# Altium PCB SDR_CAMERA.PcbDoc (part 3 of 3)
Units mil, origin at the board's own origin, x right, y up, seen from the top; angles counter-clockwise.
Board outline 4374.02 x 2769.29 mil, 10 copper layers (L1-TOP(Sign), L2(GND), L3(PWR), L4(GND), L5(Sign), L6(Sign), L7(GND), L8(PWR), L9(GND), L10-BOT(Sign)), stack 60 mil thick; 352 components, 289 nets, 1442 pads, 92 vias.
Unrouted connection lines stored in the file: 944.
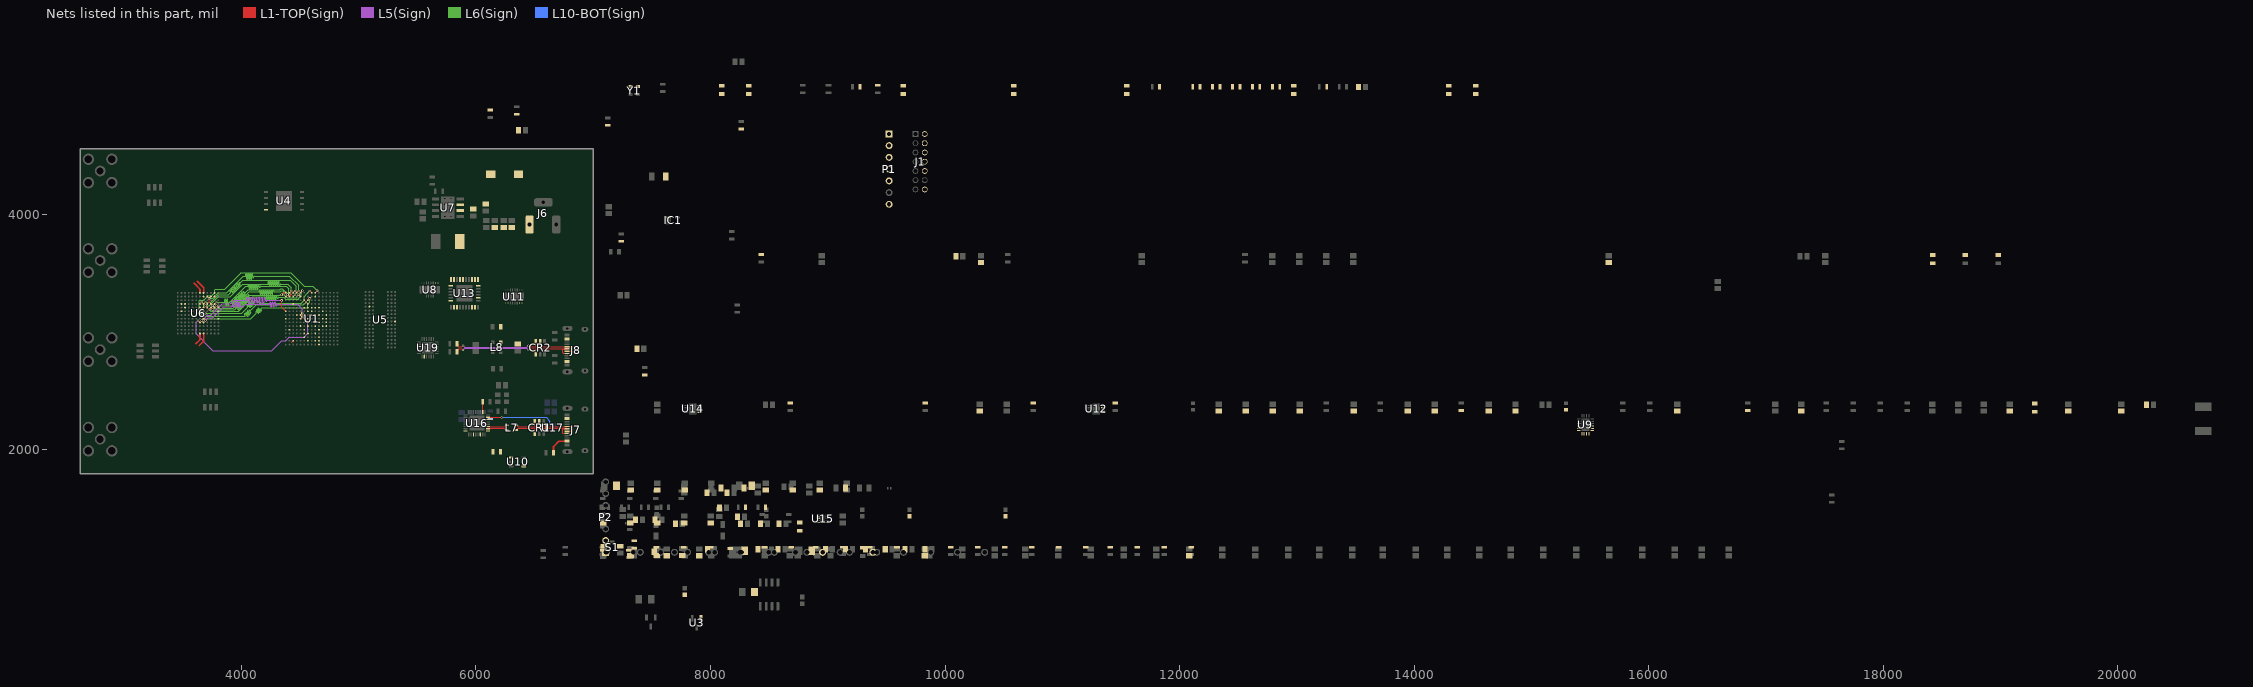
[diagram p11: the nets of this part, all layers, seen from the top]

## Via types
v1: diameter 19.68, hole 9.84, L1-TOP(Sign) to L10-BOT(Sign), tented both sides, 89 vias
v2: diameter 31.5, hole 19.68, L1-TOP(Sign) to L10-BOT(Sign), tented both sides, 3 vias

## Nets (pads, with @x,y where several pads share a name; then routed paths per layer and width w, separated by ;. In a path a pad name is that pad's centre, name@x,y a point inside that pad or via, vN(x,y) a via of type N, cw(c..) or ccw(c..) an arc to the next point about the centre after c; other vN are vias at no path point) (continued)
RX_D4_P: U1.K15 U6.J8 | length 1402.6
  L1-TOP(Sign) w5.91: v1(3661.42,3098.43) U6.J8@3677.17,3082.68 ; v1(4342.52,3270.79) 4342.52,3212.6 U1.K15@4377.95,3177.17
  L5(Sign) w3.94: v1(3661.42,3098.43) 3708.66,3145.67 3740.16,3145.67 3834.65,3240.16 3905.51,3240.16 3936.14,3270.79 4039.59,3270.79 4041.56,3270.79 ccw(c4041.56,3275.09) 4045.85,3275.09 4045.85,3288.3 cw(c4050.15,3288.3) 4050.15,3292.6 4053.84,3292.6 cw(c4053.84,3288.3) 4058.14,3288.3 4058.14,3253.28 ccw(c4062.44,3253.28) 4062.44,3248.98 4066.12,3248.98 ccw(c4066.12,3253.28) 4070.42,3253.28 4070.42,3288.3 cw(c4074.72,3288.3) 4074.72,3292.6 4078.41,3292.6 cw(c4078.41,3288.3) 4082.7,3288.3 4082.7,3253.28 ccw(c4087,3253.28) 4087,3248.98 4090.69,3248.98 ccw(c4090.69,3253.28) 4094.99,3253.28 4094.99,3288.3 cw(c4099.29,3288.3) 4099.29,3292.6 4102.97,3292.6 cw(c4102.97,3288.3) 4107.27,3288.3 4107.27,3253.28 ccw(c4111.57,3253.28) 4111.57,3248.98 4115.26,3248.98 ccw(c4115.26,3253.28) 4119.56,3253.28 4119.56,3288.3 cw(c4123.85,3288.3) 4123.85,3292.6 4127.54,3292.6 cw(c4127.54,3288.3) 4131.84,3288.3 4131.84,3253.28 ccw(c4136.14,3253.28) 4136.14,3248.98 4139.82,3248.98 ccw(c4139.82,3253.28) 4144.12,3253.28 4144.12,3288.3 cw(c4148.42,3288.3) 4148.42,3292.6 4152.11,3292.6 cw(c4152.11,3288.3) 4156.41,3288.3 4156.41,3253.28 ccw(c4160.7,3253.28) 4160.7,3248.98 4164.39,3248.98 ccw(c4164.39,3253.28) 4168.69,3253.28 4168.69,3288.3 cw(c4172.99,3288.3) 4172.99,3292.6 4176.67,3292.6 cw(c4176.67,3288.3) 4180.97,3288.3 4180.97,3253.28 ccw(c4185.27,3253.28) 4185.27,3248.98 4188.96,3248.98 ccw(c4188.96,3253.28) 4193.26,3253.28 4193.26,3283.61 cw(c4197.56,3283.61) 4197.56,3287.91 4201.24,3287.91 cw(c4201.24,3283.61) 4205.54,3283.61 4205.54,3266.49 ccw(c4209.84,3266.49) 4209.84,3262.19 4213.52,3262.19 ccw(c4213.52,3266.49) 4217.82,3266.49 cw(c4222.12,3266.49) 4222.12,3270.79 4244.09,3270.79 v1(4342.52,3270.79)
RX_D5_N: U1.H11 U6.J7 | length 1398.3
  L1-TOP(Sign) w5.91: v1(3629.92,3098.43) U6.J7@3645.67,3082.68 ; U1.H11@4503.94,3114.17 v1(4519.69,3129.92)
  L5(Sign) w3.94: v1(3629.92,3098.43) 3614.17,3082.68 3614.17,2984.25 3755.91,2842.52 4259.84,2842.52 4342.52,2925.2 4377.95,2925.2 4409.45,2956.69 4535.43,2956.69 4566.93,2988.19 4566.93,3082.68 4535.43,3114.17 v1(4519.69,3129.92)
RX_D5_P: U1.J11 U6.H8 | length 1378
  L1-TOP(Sign) w5.32: U6.H8@3677.17,3114.17 3677.28,3114.17 3692.91,3098.54 v1(3692.91,3098.33) ; U1.J11@4503.94,3145.67 4503.94,3147.12 4518.23,3161.42 v1(4519.69,3161.42)
  L5(Sign) w3.94: v1(3692.91,3098.33) 3717.53,3122.95 3754.1,3122.95 3847.69,3216.54 3912.53,3216.54 3914.5,3216.54 ccw(c3914.5,3221.69) 3919.66,3221.69 3919.66,3224.09 cw(c3924.82,3224.09) 3929.98,3224.09 3929.98,3219.49 ccw(c3935.13,3219.49) 3940.29,3219.49 3940.29,3244.72 cw(c3945.45,3244.72) 3950.61,3244.72 3950.61,3219.49 ccw(c3955.76,3219.49) 3960.92,3219.49 3960.92,3247.92 cw(c3966.08,3247.92) 3971.24,3247.92 3971.24,3219.49 ccw(c3976.39,3219.49) 3981.55,3219.49 3981.55,3247.92 cw(c3986.71,3247.92) 3991.87,3247.92 3991.87,3221.69 ccw(c3997.02,3221.69) 3997.02,3216.54 4013.95,3216.54 4020.4,3222.98 4034.39,3236.97 4232.2,3236.97 4234.17,3236.97 ccw(c4234.17,3242.13) 4239.32,3242.13 4239.32,3247.92 cw(c4244.48,3247.92) 4249.64,3247.92 4249.64,3219.49 ccw(c4254.8,3219.49) 4259.95,3219.49 4259.95,3247.92 cw(c4265.11,3247.92) 4270.27,3247.92 4270.27,3219.49 ccw(c4275.43,3219.49) 4280.58,3219.49 4280.58,3247.92 cw(c4285.74,3247.92) 4290.9,3247.92 4290.9,3230.08 ccw(c4296.06,3230.08) 4301.21,3230.08 4301.21,3231.81 cw(c4306.37,3231.81) 4306.37,3236.97 4326.11,3236.97 4479.31,3236.97 4519.69,3196.6 v1(4519.69,3161.42)
SRST: J1.14 P1.7 R3.1 R10.2
Standby: Y1.1
TCK: J1.06 P1.3 R6.1 U1.G9
TDI: J1.10 P1.5 R4.1 U1.L7
TDO: J1.08 P1.4 R5.1 U1.L8
TMS: J1.04 P1.2 R7.1 U1.L9
TX1A_N: U6.M8 | length 117.6
  L1-TOP(Sign) w15: 3641.18,2885.51 3677.68,2922.01 U6.M8@3677.68,2988.03
TX1A_P: C49.1 L2.2 U6.M7 | length 102
  L1-TOP(Sign) w15: 3611.18,2900.51 3646.18,2935.51 U6.M7@3646.18,2988.03
TX2A_N: C55.1 L3.2 U6.A7 | length 101.7
  L1-TOP(Sign) w15: 3596.18,3415.51 3646.18,3365.51 U6.A7@3646.18,3334.49
TX2A_P: C54.1 L4.2 U6.A8 | length 117.4
  L1-TOP(Sign) w15: 3626.18,3430.51 3677.68,3379.02 U6.A8@3677.68,3334.49
TX_D0_N: U1.P15 U6.E12 | length 1306.2
  L1-TOP(Sign) w5.91: v1(3787.4,3224.42) U6.E12@3803.15,3208.66 ; U1.P15@4377.95,3303.15 v1(4393.7,3318.9)
  L6(Sign) w3.94: v1(3787.4,3224.42) 3921.27,3224.42 3925.97,3229.12 3927.36,3230.51 ccw(c3924.41,3233.46) 3927.36,3236.42 3915.06,3248.72 cw(c3918.01,3251.67) 3915.06,3254.62 cw(c3918.01,3251.67) 3920.96,3254.62 3941.42,3234.16 ccw(c3944.37,3237.11) 3947.32,3234.16 ccw(c3944.37,3237.11) 3947.32,3240.06 3926.86,3260.52 cw(c3929.81,3263.47) 3926.86,3266.43 cw(c3929.81,3263.48) 3932.77,3266.43 3953.23,3245.97 ccw(c3956.18,3248.92) 3959.13,3245.97 ccw(c3956.18,3248.92) 3959.13,3251.87 3938.67,3272.33 cw(c3941.62,3275.28) 3938.67,3278.23 cw(c3941.62,3275.28) 3944.57,3278.23 3965.03,3257.77 ccw(c3967.98,3260.72) 3970.93,3257.77 ccw(c3967.98,3260.72) 3970.93,3263.67 3950.47,3284.13 cw(c3953.42,3287.08) 3950.47,3290.03 cw(c3953.42,3287.08) 3956.37,3290.03 3976.83,3269.57 ccw(c3979.78,3272.52) 3982.74,3269.57 ccw(c3979.78,3272.52) 3982.74,3275.47 3962.27,3295.94 cw(c3965.23,3298.89) 3962.27,3301.84 cw(c3965.23,3298.89) 3968.18,3301.84 3988.64,3281.38 ccw(c3991.59,3284.33) 3994.54,3281.38 ccw(c3991.59,3284.33) 3994.54,3287.28 3974.08,3307.74 cw(c3977.03,3310.69) 3974.08,3313.64 cw(c3977.03,3310.69) 3979.98,3313.64 4000.44,3293.18 ccw(c4003.39,3296.13) 4006.34,3293.18 ccw(c4003.39,3296.13) 4006.34,3299.08 3985.88,3319.54 cw(c3988.83,3322.49) 3985.88,3325.44 cw(c3988.83,3322.49) 3991.78,3325.44 4012.24,3304.98 ccw(c4015.2,3307.93) 4018.15,3304.98 ccw(c4015.2,3307.93) 4018.15,3310.89 3997.69,3331.35 cw(c4000.64,3334.3) 3997.69,3337.25 cw(c4000.64,3334.3) 4003.59,3337.25 4024.05,3316.79 ccw(c4027,3319.74) 4029.95,3316.79 ccw(c4027,3319.74) 4029.95,3322.69 4014.42,3338.22 cw(c4017.37,3341.17) 4014.42,3344.12 cw(c4017.37,3341.17) 4020.32,3344.12 4027.7,3336.75 ccw(c4030.65,3339.7) 4033.6,3336.75 4059.06,3362.2 4062.99,3362.2 4326.77,3362.2 4334.65,3370.08 4349.8,3370.08 4390.69,3329.19 4390.69,3321.91 v1(4393.7,3318.9)
TX_D0_P: U1.R13 U6.D11 | length 1305.4
  L1-TOP(Sign) w5.91: U6.D11@3771.65,3240.16 v1(3787.4,3255.91) ; U1.R13@4440.94,3334.65 v1(4456.69,3350.39)
  L6(Sign) w3.94: v1(3787.4,3255.91) 3851.79,3255.91 3853.76,3255.91 ccw(c3853.76,3260.08) 3857.94,3260.08 3857.94,3277.48 cw(c3862.11,3277.48) 3862.11,3281.65 cw(c3862.11,3277.48) 3866.28,3277.48 3866.28,3236.54 ccw(c3870.46,3236.54) 3870.46,3232.37 ccw(c3870.46,3236.54) 3874.63,3236.54 3874.63,3277.48 cw(c3878.8,3277.48) 3878.8,3281.65 cw(c3878.8,3277.48) 3882.98,3277.48 3882.98,3236.54 ccw(c3887.15,3236.54) 3887.15,3232.37 ccw(c3887.15,3236.54) 3891.32,3236.54 3891.32,3251.73 cw(c3895.5,3251.73) 3895.5,3255.91 3901.57,3255.91 3903.64,3257.97 4035.43,3389.76 4052.63,3389.76 4054.6,3389.76 ccw(c4054.6,3393.94) 4058.77,3393.94 4058.77,3397.32 cw(c4062.94,3397.32) 4062.94,3401.5 cw(c4062.94,3397.32) 4067.12,3397.32 4067.12,3374.33 ccw(c4071.29,3374.33) 4071.29,3370.16 ccw(c4071.29,3374.33) 4075.46,3374.33 4075.46,3397.32 cw(c4079.64,3397.32) 4079.64,3401.5 cw(c4079.64,3397.32) 4083.81,3397.32 4083.81,3374.33 ccw(c4087.98,3374.33) 4087.98,3370.16 ccw(c4087.98,3374.33) 4092.16,3374.33 4092.16,3397.32 cw(c4096.33,3397.32) 4096.33,3401.5 cw(c4096.33,3397.32) 4100.5,3397.32 4100.5,3374.33 ccw(c4104.68,3374.33) 4104.68,3370.16 ccw(c4104.68,3374.33) 4108.85,3374.33 4108.85,3397.32 cw(c4113.02,3397.32) 4113.02,3401.5 cw(c4113.02,3397.32) 4117.2,3397.32 4117.2,3374.33 ccw(c4121.37,3374.33) 4121.37,3370.16 ccw(c4121.37,3374.33) 4125.54,3374.33 4125.54,3397.32 cw(c4129.72,3397.32) 4129.72,3401.5 cw(c4129.72,3397.32) 4133.89,3397.32 4133.89,3374.33 ccw(c4138.06,3374.33) 4138.06,3370.16 ccw(c4138.06,3374.33) 4142.23,3374.33 4142.23,3393.12 cw(c4146.41,3393.12) 4146.41,3397.3 cw(c4146.41,3393.12) 4150.58,3393.12 4150.58,3385.59 ccw(c4154.75,3385.59) 4154.75,3381.42 ccw(c4154.75,3385.59) 4158.93,3385.59 cw(c4163.1,3385.59) 4163.1,3389.76 4236.22,3389.76 4383.18,3389.76 4405.51,3367.43 4405.51,3334.65 4417.32,3322.83 4429.13,3322.83 v1(4456.69,3350.39)
TX_D1_N: U1.R15 U6.E11 | length 1305.5
  L1-TOP(Sign) w5.91: v1(3755.91,3192.91) U6.E11@3771.65,3208.66 ; v1(4342.52,3318.9) 4358.27,3334.65 U1.R15@4377.95,3334.65
  L6(Sign) w3.94: v1(3755.91,3192.91) 3756.63,3192.19 3944.03,3192.19 3948.47,3196.62 3949.86,3198.01 ccw(c3946.91,3200.96) 3949.86,3203.91 3947.67,3206.11 cw(c3950.62,3209.06) 3947.67,3212.01 cw(c3950.62,3209.06) 3953.57,3212.01 3973.82,3191.76 ccw(c3976.77,3194.71) 3979.72,3191.76 ccw(c3976.77,3194.71) 3979.72,3197.66 3959.47,3217.91 cw(c3962.42,3220.86) 3959.47,3223.81 cw(c3962.42,3220.86) 3965.37,3223.81 3985.62,3203.56 ccw(c3988.58,3206.51) 3991.53,3203.56 ccw(c3988.58,3206.51) 3991.53,3209.46 3971.27,3229.72 cw(c3974.22,3232.67) 3971.27,3235.62 cw(c3974.22,3232.67) 3977.18,3235.62 3997.43,3215.36 ccw(c4000.38,3218.32) 4003.33,3215.36 ccw(c4000.38,3218.32) 4003.33,3221.27 3983.08,3241.52 cw(c3986.03,3244.47) 3983.08,3247.42 cw(c3986.03,3244.47) 3988.98,3247.42 4009.23,3227.17 ccw(c4012.18,3230.12) 4015.13,3227.17 ccw(c4012.18,3230.12) 4015.13,3233.07 3994.88,3253.32 cw(c3997.83,3256.27) 3994.88,3259.22 cw(c3997.83,3256.27) 4000.78,3259.22 4021.04,3238.97 ccw(c4023.99,3241.92) 4026.94,3238.97 ccw(c4023.99,3241.92) 4026.94,3244.87 4006.68,3265.13 cw(c4009.64,3268.08) 4006.68,3271.03 cw(c4009.64,3268.08) 4012.59,3271.03 4032.84,3250.78 ccw(c4035.79,3253.73) 4038.74,3250.78 ccw(c4035.79,3253.73) 4038.74,3256.68 4018.49,3276.93 cw(c4021.44,3279.88) 4018.49,3282.83 cw(c4021.44,3279.88) 4024.39,3282.83 4044.64,3262.58 ccw(c4047.59,3265.53) 4050.55,3262.58 ccw(c4047.59,3265.53) 4050.55,3268.48 4030.29,3288.73 cw(c4033.24,3291.68) 4030.29,3294.64 cw(c4033.24,3291.69) 4036.19,3294.64 4056.45,3274.38 ccw(c4059.4,3277.33) 4062.35,3274.38 ccw(c4059.4,3277.33) 4062.35,3280.28 4042.1,3300.54 cw(c4045.05,3303.49) 4042.1,3306.44 cw(c4045.05,3303.49) 4048,3306.44 4064.92,3289.51 ccw(c4067.87,3292.47) 4070.82,3289.52 ccw(c4067.87,3292.47) 4070.82,3295.42 4055.96,3310.28 cw(c4058.91,3313.23) 4055.96,3316.18 cw(c4058.91,3313.23) 4061.86,3316.18 ccw(c4064.81,3319.13) 4064.81,3314.96 4086.61,3314.96 4326.78,3314.96 4330.71,3318.9 v1(4342.52,3318.9)
TX_D1_P: U1.P11 U6.D10 | length 1305.7
  L1-TOP(Sign) w5.91: U6.D10@3740.16,3240.16 3740.36,3240.16 3755.7,3224.82 v1(3755.91,3224.82) ; v1(4488.19,3318.9) U1.P11@4503.94,3303.15
  L6(Sign) w3.94: v1(3755.91,3224.82) 3776,3204.72 3929.13,3204.72 4066.93,3342.52 4146.08,3342.52 4148.05,3342.52 ccw(c4148.05,3346.69) 4152.22,3346.69 4152.22,3350.08 cw(c4156.4,3350.08) 4156.4,3354.25 cw(c4156.4,3350.08) 4160.57,3350.08 4160.57,3327.09 ccw(c4164.74,3327.09) 4164.74,3322.91 ccw(c4164.74,3327.09) 4168.92,3327.09 4168.92,3350.08 cw(c4173.09,3350.08) 4173.09,3354.25 cw(c4173.09,3350.08) 4177.26,3350.08 4177.26,3327.09 ccw(c4181.44,3327.09) 4181.44,3322.91 ccw(c4181.44,3327.09) 4185.61,3327.09 4185.61,3350.08 cw(c4189.78,3350.08) 4189.78,3354.25 cw(c4189.78,3350.08) 4193.96,3350.08 4193.96,3327.09 ccw(c4198.13,3327.09) 4198.13,3322.91 ccw(c4198.13,3327.09) 4202.3,3327.09 4202.3,3350.08 cw(c4206.48,3350.08) 4206.48,3354.25 cw(c4206.48,3350.08) 4210.65,3350.08 4210.65,3327.09 ccw(c4214.82,3327.09) 4214.82,3322.91 ccw(c4214.82,3327.09) 4219,3327.09 4219,3350.08 cw(c4223.17,3350.08) 4223.17,3354.25 cw(c4223.17,3350.08) 4227.34,3350.08 4227.34,3327.09 ccw(c4231.52,3327.09) 4231.52,3322.91 ccw(c4231.52,3327.09) 4235.69,3327.09 4235.69,3350.08 cw(c4239.86,3350.08) 4239.86,3354.25 cw(c4239.86,3350.08) 4244.04,3350.08 4244.04,3327.09 ccw(c4248.21,3327.09) 4248.21,3322.91 ccw(c4248.21,3327.09) 4252.38,3327.09 4252.38,3350.08 cw(c4256.55,3350.08) 4256.55,3354.25 cw(c4256.56,3350.08) 4260.73,3350.08 4260.73,3327.09 ccw(c4264.9,3327.09) 4264.9,3322.91 ccw(c4264.9,3327.09) 4269.07,3327.09 4269.07,3348.45 cw(c4273.25,3348.45) 4273.25,3352.62 cw(c4273.25,3348.45) 4277.42,3348.45 4277.42,3346.69 ccw(c4281.59,3346.69) 4281.59,3342.52 4313.35,3342.52 4332.47,3342.52 4340.87,3350.92 4344.17,3350.92 4344.69,3350.39 4354.33,3350.39 4366.14,3338.58 4366.14,3314.96 4389.76,3291.34 4475.26,3291.34 4477.59,3293.67 4477.59,3308.3 v1(4488.19,3318.9)
TX_D2_N: U1.R11 U6.E10 | length 1305.4
  L1-TOP(Sign) w5.91: v1(3724.41,3192.91) U6.E10@3740.16,3208.66 ; U1.R11@4503.94,3334.65 4519.69,3350.39 v1(4519.69,3352.36)
  L6(Sign) w3.94: v1(3724.41,3192.91) 3740.16,3177.17 3976.38,3177.17 4098.43,3299.21 4190.2,3299.21 4200.51,3299.21 cw(c4200.51,3295.04) 4204.68,3295.04 4204.68,3279.59 ccw(c4208.86,3279.59) 4208.86,3275.42 ccw(c4208.86,3279.59) 4213.03,3279.59 4213.03,3302.83 cw(c4217.2,3302.83) 4217.2,3307.01 cw(c4217.2,3302.83) 4221.38,3302.83 4221.38,3279.59 ccw(c4225.55,3279.59) 4225.55,3275.42 ccw(c4225.55,3279.59) 4229.72,3279.59 4229.72,3302.83 cw(c4233.9,3302.83) 4233.9,3307.01 cw(c4233.9,3302.83) 4238.07,3302.83 4238.07,3279.59 ccw(c4242.24,3279.59) 4242.24,3275.42 ccw(c4242.24,3279.59) 4246.42,3279.59 4246.42,3302.83 cw(c4250.59,3302.83) 4250.59,3307.01 cw(c4250.59,3302.83) 4254.76,3302.83 4254.76,3279.59 ccw(c4258.94,3279.59) 4258.94,3275.42 ccw(c4258.94,3279.59) 4263.11,3279.59 4263.11,3302.83 cw(c4267.28,3302.83) 4267.28,3307.01 cw(c4267.28,3302.83) 4271.46,3302.83 4271.46,3279.59 ccw(c4275.63,3279.59) 4275.63,3275.42 ccw(c4275.63,3279.59) 4279.8,3279.59 4279.8,3302.83 cw(c4283.98,3302.83) 4283.98,3307.01 cw(c4283.98,3302.83) 4288.15,3302.83 4288.15,3279.59 ccw(c4292.32,3279.59) 4292.32,3275.42 ccw(c4292.32,3279.59) 4296.5,3279.59 4296.5,3301.17 cw(c4300.67,3301.17) 4300.67,3305.34 cw(c4300.67,3301.17) 4304.84,3301.17 4304.84,3291.1 ccw(c4309.02,3291.1) 4309.02,3286.93 ccw(c4309.02,3291.1) 4313.19,3291.1 cw(c4317.36,3291.1) 4317.36,3295.28 4325.06,3295.28 4362.21,3295.28 4377.95,3279.53 4487.2,3279.53 4489.53,3281.86 4489.53,3289.94 4511.81,3312.22 4511.81,3342.16 4519.69,3350.03 v1(4519.69,3352.36)
TX_D2_P: U1.R12 U6.D9 | length 1305.4
  L1-TOP(Sign) w5.91: U6.D9@3708.66,3240.16 3724.41,3255.91 v1(3724.41,3287.4) ; U1.R12@4472.44,3334.65 v1(4488.19,3350.39)
  L6(Sign) w3.94: v1(3724.41,3287.4) 3755.91,3287.4 3803.15,3334.65 3874.02,3334.65 4015.75,3476.38 4031.93,3476.38 4033.9,3476.38 ccw(c4033.9,3480.55) 4038.07,3480.55 4038.07,3491.81 cw(c4042.24,3491.81) 4042.24,3495.98 cw(c4042.24,3491.81) 4046.42,3491.81 4046.42,3454.8 ccw(c4050.59,3454.8) 4050.59,3450.63 ccw(c4050.59,3454.8) 4054.76,3454.8 4054.76,3491.81 cw(c4058.94,3491.81) 4058.94,3495.98 cw(c4058.94,3491.81) 4063.11,3491.81 4063.11,3454.8 ccw(c4067.28,3454.8) 4067.28,3450.63 ccw(c4067.28,3454.8) 4071.46,3454.8 4071.46,3491.81 cw(c4075.63,3491.81) 4075.63,3495.98 cw(c4075.63,3491.81) 4079.8,3491.81 4079.8,3454.8 ccw(c4083.98,3454.8) 4083.98,3450.63 ccw(c4083.98,3454.8) 4088.15,3454.8 4088.15,3491.81 cw(c4092.32,3491.81) 4092.32,3495.98 cw(c4092.32,3491.81) 4096.5,3491.81 4096.5,3466.37 ccw(c4100.67,3466.37) 4100.67,3462.19 ccw(c4100.67,3466.37) 4104.84,3466.37 4104.84,3472.2 cw(c4109.02,3472.2) 4109.02,3476.38 4141.73,3476.38 4409.45,3476.38 4488.19,3397.64 v1(4488.19,3350.39)
TX_D3_N: U1.P14 U6.E9 | length 1302.3
  L1-TOP(Sign) w5.91: v1(3692.91,3224.41) U6.E9@3708.66,3208.66 ; U1.P14@4409.45,3303.15 4425.2,3318.9 v1(4425.2,3350.39)
  L6(Sign) w3.94: v1(3692.91,3224.41) 3724.51,3224.41 3803.25,3303.15 3905.51,3303.15 4011.81,3409.45 4222.93,3409.45 4224.9,3409.45 ccw(c4224.9,3413.62) 4229.07,3413.62 4229.07,3428.82 cw(c4233.25,3428.82) 4233.25,3432.99 cw(c4233.25,3428.82) 4237.42,3428.82 4237.42,3401.89 ccw(c4241.59,3401.89) 4241.59,3397.72 ccw(c4241.59,3401.89) 4245.77,3401.89 4245.77,3428.82 cw(c4249.94,3428.82) 4249.94,3432.99 cw(c4249.94,3428.82) 4254.11,3428.82 4254.11,3401.89 ccw(c4258.29,3401.89) 4258.29,3397.72 ccw(c4258.29,3401.89) 4262.46,3401.89 4262.46,3428.82 cw(c4266.63,3428.82) 4266.63,3432.99 cw(c4266.63,3428.82) 4270.81,3428.82 4270.81,3401.89 ccw(c4274.98,3401.89) 4274.98,3397.72 ccw(c4274.98,3401.89) 4279.15,3401.89 4279.15,3428.82 cw(c4283.33,3428.82) 4283.33,3432.99 cw(c4283.33,3428.82) 4287.5,3428.82 4287.5,3401.89 ccw(c4291.67,3401.89) 4291.67,3397.72 ccw(c4291.67,3401.89) 4295.85,3401.89 4295.85,3428.82 cw(c4300.02,3428.82) 4300.02,3432.99 cw(c4300.02,3428.82) 4304.19,3428.82 4304.19,3401.89 ccw(c4308.37,3401.89) 4308.37,3397.72 ccw(c4308.37,3401.89) 4312.54,3401.89 4312.54,3428.82 cw(c4316.71,3428.82) 4316.71,3432.99 cw(c4316.71,3428.82) 4320.89,3428.82 4320.89,3401.89 ccw(c4325.06,3401.89) 4325.06,3397.72 ccw(c4325.06,3401.89) 4329.23,3401.89 4329.23,3405.28 cw(c4333.41,3405.28) 4333.41,3409.45 4358.27,3409.45 4393.69,3409.45 4425.2,3377.94 v1(4425.2,3350.39)
TX_D3_P: U1.P13 U6.D8 | length 1305.4
  L1-TOP(Sign) w5.91: U6.D8@3677.17,3240.16 v1(3692.91,3255.91) ; U1.P13@4440.94,3303.15 v1(4456.69,3318.9)
  L6(Sign) w3.94: v1(3692.91,3255.91) 3740.16,3255.91 3803.15,3318.9 3889.76,3318.9 3906.23,3335.37 3907.62,3336.76 ccw(c3904.67,3339.71) 3907.62,3342.66 3903.4,3346.88 cw(c3906.35,3349.83) 3903.4,3352.78 cw(c3906.35,3349.83) 3909.3,3352.78 3923.65,3338.44 ccw(c3926.6,3341.39) 3929.55,3338.44 ccw(c3926.6,3341.39) 3929.55,3344.34 3915.21,3358.69 cw(c3918.16,3361.64) 3915.21,3364.59 cw(c3918.16,3361.64) 3921.11,3364.59 3935.45,3350.24 ccw(c3938.41,3353.19) 3941.36,3350.24 ccw(c3938.41,3353.19) 3941.36,3356.14 3927.01,3370.49 cw(c3929.96,3373.44) 3927.01,3376.39 cw(c3929.96,3373.44) 3932.91,3376.39 3947.26,3362.04 ccw(c3950.21,3365) 3953.16,3362.04 ccw(c3950.21,3365) 3953.16,3367.95 3938.81,3382.29 cw(c3941.76,3385.24) 3938.81,3388.2 cw(c3941.76,3385.24) 3944.71,3388.2 3959.06,3373.85 ccw(c3962.01,3376.8) 3964.96,3373.85 ccw(c3962.01,3376.8) 3964.96,3379.75 3950.62,3394.1 cw(c3953.57,3397.05) 3950.62,3400 cw(c3953.57,3397.05) 3956.52,3400 3970.87,3385.65 ccw(c3973.82,3388.6) 3976.77,3385.65 ccw(c3973.82,3388.6) 3976.77,3391.55 3962.42,3405.9 cw(c3965.37,3408.85) 3962.42,3411.8 cw(c3965.37,3408.85) 3968.32,3411.8 3982.67,3397.46 ccw(c3985.62,3400.41) 3988.57,3397.46 ccw(c3985.62,3400.41) 3988.57,3403.36 3977.86,3414.07 cw(c3980.81,3417.02) 3977.86,3419.97 cw(c3980.81,3417.02) 3983.77,3419.97 3984.35,3419.38 ccw(c3987.3,3422.34) 3990.25,3419.38 4007.78,3436.91 4011.81,3440.94 4417.32,3440.94 4468.32,3389.94 4468.32,3330.53 v1(4456.69,3318.9)
TX_D4_N: U1.N9 U6.E8 | length 1305.7
  L1-TOP(Sign) w5.91: v1(3661.42,3192.91) 3665.35,3196.85 U6.E8@3677.17,3208.66 ; U1.N9@4566.93,3271.65 4566.93,3272.93 4581.4,3287.4 v1(4582.68,3287.4)
  L6(Sign) w3.94: v1(3661.42,3192.91) 3661.42,3133.86 3681.1,3114.17 4078.74,3114.17 4097.28,3132.71 4124.56,3159.99 ccw(c4121.61,3162.94) 4124.56,3165.89 cw(c4127.51,3168.84) 4124.56,3171.8 cw(c4127.51,3168.85) 4130.46,3171.8 4142.12,3160.14 ccw(c4145.07,3163.09) 4148.02,3160.14 ccw(c4145.07,3163.09) 4148.02,3166.04 4129.63,3184.43 cw(c4132.58,3187.39) 4129.63,3190.34 cw(c4132.58,3187.39) 4135.53,3190.34 4154.9,3170.96 ccw(c4157.85,3173.91) 4160.81,3170.96 ccw(c4157.85,3173.91) 4160.81,3176.86 4141.43,3196.24 cw(c4144.38,3199.19) 4141.43,3202.14 cw(c4144.38,3199.19) 4147.33,3202.14 4166.71,3182.76 ccw(c4169.66,3185.71) 4172.61,3182.76 ccw(c4169.66,3185.71) 4172.61,3188.67 4165.87,3195.4 cw(c4168.82,3198.35) 4165.87,3201.3 4167.26,3202.7 4173.23,3208.66 4559.65,3208.66 4566.93,3215.94 4566.93,3240.16 4582.68,3255.91 v1(4582.68,3287.4)
TX_D4_P: U1.M9 U6.D7 | length 1305.4
  L1-TOP(Sign) w5.91: U6.D7@3645.67,3240.16 v1(3661.42,3255.91) ; v1(4551.18,3255.91) U1.M9@4566.93,3240.16
  L6(Sign) w3.94: v1(3661.42,3255.91) 3677.17,3240.16 3677.17,3177.4 3671.41,3171.64 3671.41,3151.43 3688.98,3133.86 4028.79,3133.86 4030.43,3135.5 4031.82,3136.89 ccw(c4028.87,3139.84) 4031.82,3142.79 4025.09,3149.53 cw(c4028.04,3152.48) 4025.09,3155.43 cw(c4028.04,3152.48) 4030.99,3155.43 4050.36,3136.05 ccw(c4053.31,3139) 4056.27,3136.05 ccw(c4053.31,3139) 4056.27,3141.96 4036.89,3161.33 cw(c4039.84,3164.28) 4036.89,3167.23 cw(c4039.84,3164.28) 4042.79,3167.23 4062.17,3147.86 ccw(c4065.12,3150.81) 4068.07,3147.86 ccw(c4065.12,3150.81) 4068.07,3153.76 4048.69,3173.14 cw(c4051.64,3176.09) 4048.69,3179.04 cw(c4051.64,3176.09) 4054.59,3179.04 4073.97,3159.66 ccw(c4076.92,3162.61) 4079.87,3159.66 ccw(c4076.92,3162.61) 4079.87,3165.56 4064.63,3180.8 cw(c4067.58,3183.76) 4064.63,3186.71 cw(c4067.58,3183.76) 4070.53,3186.71 4073.14,3184.1 ccw(c4076.09,3187.05) 4079.04,3184.1 4102.68,3207.74 4127.81,3232.87 4528.15,3232.87 v1(4551.18,3255.91)
TX_D5_N: U1.R8 U6.F8 | length 1273.9
  L1-TOP(Sign) w5.91: v1(4582.68,3350.39) 4586.61,3346.46 U1.R8@4598.43,3334.65
  L6(Sign) w3.94: v1(3692.91,3161.42) 4003.94,3161.42 4052.97,3210.45 4054.36,3211.84 ccw(c4051.41,3214.79) 4054.36,3217.74 4047.63,3224.48 cw(c4050.58,3227.43) 4047.63,3230.38 cw(c4050.58,3227.43) 4053.53,3230.38 4072.9,3211.01 ccw(c4075.85,3213.96) 4078.8,3211.01 ccw(c4075.85,3213.96) 4078.8,3216.91 4059.43,3236.29 cw(c4062.38,3239.24) 4059.43,3242.19 cw(c4062.38,3239.24) 4065.33,3242.19 4084.71,3222.81 ccw(c4087.66,3225.76) 4090.61,3222.81 ccw(c4087.66,3225.76) 4090.61,3228.71 4071.23,3248.09 cw(c4074.18,3251.04) 4071.23,3253.99 cw(c4074.18,3251.04) 4077.13,3253.99 4096.51,3234.61 ccw(c4099.46,3237.57) 4102.41,3234.61 ccw(c4099.46,3237.57) 4102.41,3240.52 4083.04,3259.89 cw(c4085.99,3262.84) 4083.04,3265.79 cw(c4085.99,3262.84) 4088.94,3265.79 4105.37,3249.36 ccw(c4108.32,3252.32) 4111.27,3249.36 ccw(c4108.32,3252.32) 4111.27,3255.27 4107.48,3259.06 cw(c4110.43,3262.01) 4107.48,3264.96 4113.31,3270.79 4115.05,3270.79 4130.78,3270.79 4154.62,3246.95 4510.73,3246.95 4535.43,3271.65 4535.43,3303.15 4566.93,3334.65 v1(4582.68,3350.39)
TX_D5_P: U1.R7 U6.E7 | length 1305.4
  L1-TOP(Sign) w5.91: v1(3629.92,3192.91) 3633.86,3196.85 U6.E7@3645.65,3208.66 ; U1.R7@4629.92,3334.65 4645.67,3350.39 v1(4645.67,3352.36)
  L6(Sign) w3.94: v1(3629.92,3192.91) 3641.73,3204.72 3641.73,3267.72 3645.67,3271.65 3677.17,3271.65 3716.66,3311.15 3748.16,3311.15 3771.65,3334.65 3771.65,3358.4 3778.67,3365.42 3857.54,3365.42 3994.81,3502.69 3994.81,3503.94 4419.46,3503.94 4533.63,3389.76 4608.27,3389.76 v1(4645.67,3352.36)
TX_VCO_1P1V_SUPPLY: U6.A11 U6.B11
UART_RX@ZYNQ: P2.1 R93.1 U1.C6
UART_TX@ZYNQ: P2.2 U1.B7 U19.20
USB.USB_OTG_CPEN: U10.4 U16.17
USB.USB_VBUS_OTG: R62.1 U16.22
USB_FS_SLEEP: IC1.1 R89.2 U19.15
USB_ID: R79.2 U16.23 U17.9 | length 565.6
  L1-TOP(Sign) w7.87: U16.23@6103.74,2273.62 6104.92,2272.44 6120.56,2272.44 6121.34,2271.65 v1(6220.47,2271.65)
  L10-BOT(Sign) w7.87: v1(6220.47,2271.65) 6598.43,2271.65 6629.92,2240.16 U17.9@6629.92,2214.57
USB_OTG_90_OHM_N: CR1.6 J7.A7 J7.B7 L7.1 | length 593
  L1-TOP(Sign) w6.06: L7.1@6343.6,2204.72 6351.28,2204.72 6355.13,2200.88 6355.13,2195.56 6358.68,2192.01 6498.82,2192.01 6502.37,2195.56 ; CR1.6@6502.37,2238.79 6502.37,2195.56 ; J7.B7@6776.38,2155.51 6807.47,2155.51 6811.02,2159.06 6811.02,2191.33 6807.47,2194.88 J7.A7@6776.38,2194.88 6773.5,2192.01 6753.42,2192.01 6709.78,2192.01 6505.92,2192.01 6502.37,2195.56
USB_OTG_90_OHM_P: CR1.1 J7.A6 J7.B6 L7.4 | length 595
  L1-TOP(Sign) w6.06: L7.4@6343.6,2165.35 6351.28,2165.35 6355.13,2169.2 6355.13,2174.52 6358.68,2178.07 6498.82,2178.07 6502.37,2174.52 ; CR1.1@6502.37,2131.29 6502.37,2174.52 ; J7.B6@6773.5,2175.2 J7.B6@6776.38,2175.2 6743.71,2175.2 6740.16,2171.65 6740.16,2139.38 6743.71,2135.83 J7.A6@6776.38,2135.83 ; J7.B6@6773.5,2178.07 6743.71,2178.07 6704.01,2178.07 6505.92,2178.07 6502.37,2174.52
USB_OTG_N: L7.2 U16.19 | length 173.9
  L1-TOP(Sign) w6.06: U16.19@6098.43,2194.88 6100.51,2192.8 6120.4,2192.8 6121.19,2192.01 6215.2,2192.01 6247.32,2192.01 6250.87,2195.56 6250.87,2200.88 6254.72,2204.72 L7.2@6262.7,2204.72
USB_OTG_P: L7.3 U16.18 | length 173.9
  L1-TOP(Sign) w6.06: U16.18@6098.43,2175.2 6100.51,2177.28 6120.4,2177.28 6121.19,2178.07 6220.97,2178.07 6247.32,2178.07 6250.87,2174.52 6250.87,2169.2 6254.72,2165.35 L7.3@6262.7,2165.35
USB_PHY_VDDIO: C149.1 FB15.2 U16.8 U16.11 U16.14
USB_PHY_XI: R81.2 U16.26 | length 86.4
  L1-TOP(Sign) w7.87: U16.26@6056.82,2318.58 6056.82,2403.54 R81.2@6057.81,2404.53
USB_UART_N: C159.1 CR2.6 J8.A7 J8.B7 R86.1 | length 1132.8
  L1-TOP(Sign) w6.06: R86.1@5838.58,2901.57 5847.36,2892.8 5847.36,2876.66 5850.91,2873.11 5857.2,2873.11 5877.05,2873.11 v1(5889.76,2885.83) ; v1(6448.82,2885.83) 6461.54,2873.11 6472.56,2873.11 6506.69,2873.11 6510.24,2876.66 ; CR2.6@6510.24,2919.89 6510.24,2876.66 ; J8.B7@6776.38,2836.61 6807.47,2836.61 6811.02,2840.17 6811.02,2872.43 6807.47,2875.98 J8.A7@6776.38,2875.98 6773.5,2873.11 6753.42,2873.11 6709.78,2873.11 6513.8,2873.11 6510.24,2876.66
  L5(Sign) w3.94: v1(5889.76,2885.83) 5903.54,2872.05 5923.57,2872.05 5945.07,2872.05 6279.23,2872.05 6419.91,2872.05 6435.04,2872.05 v1(6448.82,2885.83)
USB_UART_P: C158.1 CR2.1 J8.A6 J8.B6 R85.1 | length 1134.1
  L1-TOP(Sign) w6.06: R85.1@5838.58,2830.71 5847.36,2839.49 5847.36,2855.62 5850.91,2859.17 5877.05,2859.17 v1(5889.76,2846.46) ; v1(6448.82,2846.46) 6461.54,2859.17 6478.34,2859.17 6506.69,2859.17 6510.24,2855.62 ; CR2.1@6510.24,2812.39 6510.24,2855.62 ; J8.A6@6776.38,2816.93 6774.41,2818.9 6743.71,2818.9 6740.16,2822.45 6740.16,2851.4 6743.71,2854.95 6775.03,2854.95 J8.B6@6776.38,2856.3 6773.5,2859.17 6704.01,2859.17 6513.8,2859.17 6510.24,2855.62
  L5(Sign) w3.94: v1(5889.76,2846.46) 5903.54,2860.24 5918.67,2860.24 5945.07,2860.24 6279.23,2860.24 6415.02,2860.24 6435.04,2860.24 v1(6448.82,2846.46)
USB_VBUS: C74.1 C75.1 C76.1 C85.1 FB11.1 R59.1 R62.2 U9.9 U9.10 U9.11 U9.12 U9.13 U10.1 U11.7 U11.8
USB_VBUS_DEBUG: C160.1 CR2.5 FB16.2 J8.A4_B9 J8.B4_A9 L8.1
USR_BTN: R19.2 S1.1 S1.2 U1.B9
USR_LED: U1.D10 U3.1
VCC_0_PL: U1.G4 U1.H4 U1.J4
VCC_AUX: C13.1 C14.1 C15.1 FB1.1 U1.H9 U1.J6 U1.J8 U1.K9 U1.L6
VCC_INT: C1.1 C2.1 C3.1 C4.2 C5.1 C6.1 C7.1 C8.1 C9.2 C122.1 C123.1 U1.E10 U1.F9 U1.G6 U1.G10 U1.H5 U1.J10 U1.K5 U1.L10 U13.14 U13.15 U13.18
VCC_MPM: C111.1 U13.25
VCC_PLL: C19.1 C20.1 FB4.1 U1.F5
VCCP_AUX: C16.1 C17.1 C18.2 FB3.1
VDD_1.5V: C121.1 U13.22 U13.23 U13.24
VDD_1.8V: C21.1 C44.1 C101.1 C124.1 C125.1 C135.1 C136.1 FB1.2 FB3.2 FB4.2 FB5.2 FB6.2 FB7.2 FB8.2 FB9.2 FB10.2 FB12.2 FB13.2 R19.1 R21.2 R22.2 TP8.TP U1.E6 U4.8 U13.1 U13.31 U13.32 U15.2
VDD_3.3V: C91.1 C108.1 C114.1 C115.1 FB14.2 U12.5 U12.7 U12.8 U13.6 U13.8 U13.9 U14.5 U14.7 U14.8
VDD_12V: J6.1 L6.1
VDD_12V_FILTERED: C64.1 C65.1 C80.1 C81.1 C112.1 C113.1 L6.2 R76.1 U7.2 U7.3 U9.3 U9.4 U9.5 U9.6 U9.7 U9.8 U13.28 U13.29
VDD_GPO: TP16.TP U6.B8
VDD_INTERFACE: U6.H12
VDDA_RX_LO: U6.F2
VDDA_RX_TX: U6.D2 U6.D3 U6.E3
VDDA_TX_LO: U6.B9 U6.B10
VDDD_DIG: U6.F12
VDDIO_34_PL: FB9.1 U1.J12 U1.M13 U1.N10 U1.P7 U1.R14
VDDIO_35_PL: FB10.1 U1.F11 U1.H15
VDDIO_500_PS: C28.1 C29.1 C30.1 C31.2 C34.1 FB7.1 R13.1 U1.A6 U1.D7 Y1.4
VDDIO_501_PS: C23.1 C24.1 C25.1 C26.2 FB5.1 FB15.1 R14.1 R18.1 U1.B13 U1.C10 U1.E14 | length 19.8
  L1-TOP(Sign) w5.91: 4426.96,2911.21 U1.B13@4440.94,2925.2
VIN_5V_EXT_PLUG: C69.1 C70.1 C71.1 C72.1 L5.1 R63.1 U8.1 U8.2
VIN_5V_USB_DATA: C78.1 CR1.5 FB11.2 J7.A4_B9 J7.B4_A9 R80.1 | length 185.2
  L1-TOP(Sign) w15.75: R80.1@6661.42,1972.44 6661.42,2023.62 6707.48,2069.68 J7.A4_B9@6776.38,2069.68
VIN_5V_USB_POWER: C79.1 R70.1 R83.2 R84.2 U11.1 U11.2
VMODE_0: R16.2 U1.D9
VMODE_1: R17.2 U1.B6
VREF: C32.1 FB8.1 J1.02 P1.1 R2.2 R3.2 R4.2 R5.2 R6.2 R7.2 R8.2 U1.K8
VTT_0P75: C48.1 C116.1 C117.1 R27.2 R28.2 R29.2 R30.2 R31.2 R32.2 R33.2 R34.2 R35.2 R36.2 R37.2 R38.2 R39.2 R40.2 R42.2 R43.2 R44.2 R45.2 R46.2 R47.2 R48.2 R49.2 R50.2 R51.2 U15.3 U15.5
VTTVREF: C45.1 C46.1 C47.1 C126.1 C127.1 U1.F4 U5.H1 U5.M8 U15.6
XADC_VCC: C10.1 C11.1 C12.1 FB6.1 R9.2 U1.F7
pads on no net: C22.1 C27.1 C33.1 C42.2 D3.1 D3.2 D4.1 D4.2 D5.1 D5.2 D6.1 D6.2 J1.12 J7.A8 J7.B8 J8.A8 J8.B8 S1.5 TP5.TP U1.K11 U1.L14 U1.M10 U1.M11 U1.M15 U1.N8 U5.J1 U5.J9 U5.L1 U5.L9 U5.M7 U6.A3 U6.D4 U6.E2 U6.E5 U6.E6 U6.F4 U6.F10 U6.G2 U6.G3 U6.G5 U6.G6 U6.G7 U6.G8 U6.G11 U6.H11 U6.J3 U6.J6 U6.K3 U6.K4 U6.K5 U6.M3 U6.M11 U6.M12 U7.4 U7.10 U7.11 U7.12 U7.13 U7.14 U7.15 U7.16 U7.17 U8.11 U8.12 U8.13 U8.14 U9.1 U9.2 U9.19 U9.20 U10.3 U11.11 U11.12 U11.13 U11.14 U13.3 U13.4 U13.11 U13.12 U15.12 U15.13 U16.12 U16.15 U16.16 U16.25 U17.4 U17.5 U17.6 U17.7 U17.8 U18.1 U18.2 U18.3 U18.4 U18.5 U18.6 U18.7 U18.8 U19.1 U19.10 U19.11 U19.12 U19.16 U19.17 U19.18 U19.19 U19.22 U19.23 U19.24
copper on no net: | length 263.6
  L1-TOP(Sign) w5.91: 3677.17,3177.17 3677.84,3176.49 3692.91,3161.42
  L1-TOP(Sign) w11.81: 3645.67,3019.68 v1(3661.42,3003.94) ; v1(3692.91,3003.94) 3708.66,3019.68 ; v1(3787.4,3035.43) 3803.15,3051.18 v1(3828.92,3051.18)
  L10-BOT(Sign) w7.87: v2(6598.43,2039.37) 6677.17,2118.11 6677.17,2155.51
  other v1: 3724.41,3003.94 3755.91,3003.94 3818.9,3003.94

## Polygon pours and split planes (outlines as drawn)
no net on L2(GND) (split plane): 6979.9,1813.8 2646.08,1813.8 2646.08,4542.9 6979.9,4542.9
no net on L3(PWR) (split plane): 6979.9,1813.8 2646.08,1813.8 2646.08,4542.9 6979.9,4542.9
no net on L4(GND) (split plane): 6979.9,1813.8 2646.08,1813.8 2646.08,4542.9 6979.9,4542.9
no net on L7(GND) (split plane): 6979.9,1813.8 2646.08,1813.8 2646.08,4542.9 6979.9,4542.9
no net on L8(PWR) (split plane): 6979.9,1813.8 2646.08,1813.8 2646.08,4542.9 6979.9,4542.9
no net on L9(GND) (split plane): 6979.9,1813.8 2646.08,1813.8 2646.08,4542.9 6979.9,4542.9

## Other copper
L1-TOP(Sign):
  region: 6610.24,2905.51
  region: 6610.24,2905.51
  region: 6610.24,2905.51
  region: 6610.24,2905.51
  region: 6610.24,2905.51
  region: 6610.24,2905.51
  region: 6610.24,2905.51
  region: 6610.24,2905.51
  region: 6610.24,2905.51
  region: 6610.24,2905.51
  region: 6610.24,2905.51
  region: 6610.24,2905.51
  region: 6673.23,2822.83
  region: 6673.23,2822.83
  region: 6673.23,2822.83
  region: 6673.23,2822.83
  region: 6673.23,2822.83
  region: 6673.23,2822.83
  region: 6673.23,2822.83
  region: 6673.23,2822.83
  region: 6673.23,2822.83
  region: 6673.23,2822.83
  region: 6673.23,2822.83
  region: 6673.23,2822.83

## Silkscreen, mask and mechanical layers (free items; w line width, h text height)
Mechanical 1:
  lines w5.91: 2657.48,1000 2657.48,1003.94
  lines w39.37: 2625.98,1793.7 2625.98,4562.99 7000,4562.99 7000,1793.7 2625.98,1793.7

## Text inside footprints (layer, text, board x,y; h text height)
C49: Top Overlay "REFDES" at 7804.53,699.9 h50 r90; Mechanical 13 "RefDes2" at 7804.53,699.9 h50 r90
C50: Top Overlay "REFDES" at 8808.46,625.1 h50 r90; Mechanical 13 "RefDes2" at 8808.46,625.1 h50 r90
C54: Top Overlay "REFDES" at 10540.73,1369.19 h50 r90; Mechanical 13 "RefDes2" at 10540.73,1369.19 h50 r90
C55: Top Overlay "REFDES" at 9721.83,1369.19 h50 r90; Mechanical 13 "RefDes2" at 9721.83,1369.19 h50 r90
C60: Top Overlay "REFDES" at 9320.26,1369.19 h50 r90; Mechanical 13 "RefDes2" at 9320.26,1369.19 h50 r90
C61: Top Overlay "REFDES" at 8501.36,1369.19 h50 r90; Mechanical 13 "RefDes2" at 8501.36,1369.19 h50 r90
C62: Top Overlay "REFDES" at 7568.29,1384.94 h50 r90; Mechanical 13 "RefDes2" at 7568.29,1384.94 h50 r90
C63: Top Overlay "REFDES" at 7107.66,1384.94 h50 r90; Mechanical 13 "RefDes2" at 7107.66,1384.94 h50 r90
CR1: Top Overlay "*" at 6485.37,2108.79 h50 r90; Mechanical 13 "*" at 6532.37,2153.04 h50 r90
CR2: Top Overlay "REFDES" at 6572.24,2778.64 h50 r90; Top Overlay "*" at 6493.24,2789.89 h50 r90; Mechanical 13 "*" at 6540.24,2834.14 h50 r90; Mechanical 13 "RefDes2" at 6572.24,2778.64 h50 r90
J7: Mechanical 13 "PCB EDGE" at 6976.38,2389.76 h35.43 r90
J8: Mechanical 13 "PCB EDGE" at 6976.38,3070.87 h35.43 r90
L5: Top Overlay "REFDES" at 5847.34,3796.65 h50 r180; Mechanical 13 "RefDes2" at 5847.34,3796.65 h50 r180
T1: Top Overlay "REFDES" at 3172.34,3537.99 h50; Mechanical 13 "RefDes2" at 3172.34,3537.99 h50
T2: Top Overlay "REFDES" at 3761.22,2337.7 h50 r90; Mechanical 13 "RefDes2" at 3761.22,2337.7 h50 r90
T3: Top Overlay "REFDES" at 3113.29,2813.58 h50; Mechanical 13 "RefDes2" at 3113.29,2813.58 h50
T4: Top Overlay "REFDES" at 3284.84,4081.79 h50 r90; Mechanical 13 "RefDes2" at 3284.84,4081.79 h50 r90
U2: Top Overlay "REFDES" at 7579.63,552.56 h50 r180; Mechanical 13 "RefDes2" at 7579.63,552.56 h50 r180
U3: Top Overlay "REFDES" at 7969.39,544.68 h50 r180; Mechanical 13 "RefDes2" at 7969.39,544.68 h50 r180
U4: Top Overlay "REFDES" at 4449.7,4143.11 h50 r180; Mechanical 13 "RefDes2" at 4449.7,4143.11 h50 r180
U6: Top Overlay "12" at 3828.15,3385.42 h50 r90; Top Overlay "1" at 3481.69,3385.42 h50 r90; Top Overlay "M" at 3380.92,2963.19 h50; Top Overlay "A" at 3380.92,3309.65 h50; Mechanical 13 "12" at 3828.15,3385.42 h50 r90; Mechanical 13 "1" at 3481.69,3385.42 h50 r90; Mechanical 13 "M" at 3380.92,2963.19 h50; Mechanical 13 "A" at 3380.92,3309.65 h50; Bottom Overlay "12" at 3778.15,3385.42 h50 r270; Bottom Overlay "1" at 3431.69,3385.42 h50 r270; Bottom Overlay "M" at 3405.92,2963.19 h50; Bottom Overlay "A" at 3405.92,3309.65 h50
U9: Top Overlay "*" at 15350.13,2242.73 h50; Mechanical 13 "*" at 15405.13,2242.73 h50
U10: Top Overlay "*" at 6278.57,1945.79 h50; Mechanical 13 "*" at 6318.37,1902.79 h50
U13: Top Overlay "*" at 5727.29,3382.65 h50; Mechanical 13 "*" at 5791.29,3382.65 h50